# KiCad board C68.kicad_pcb (continued)
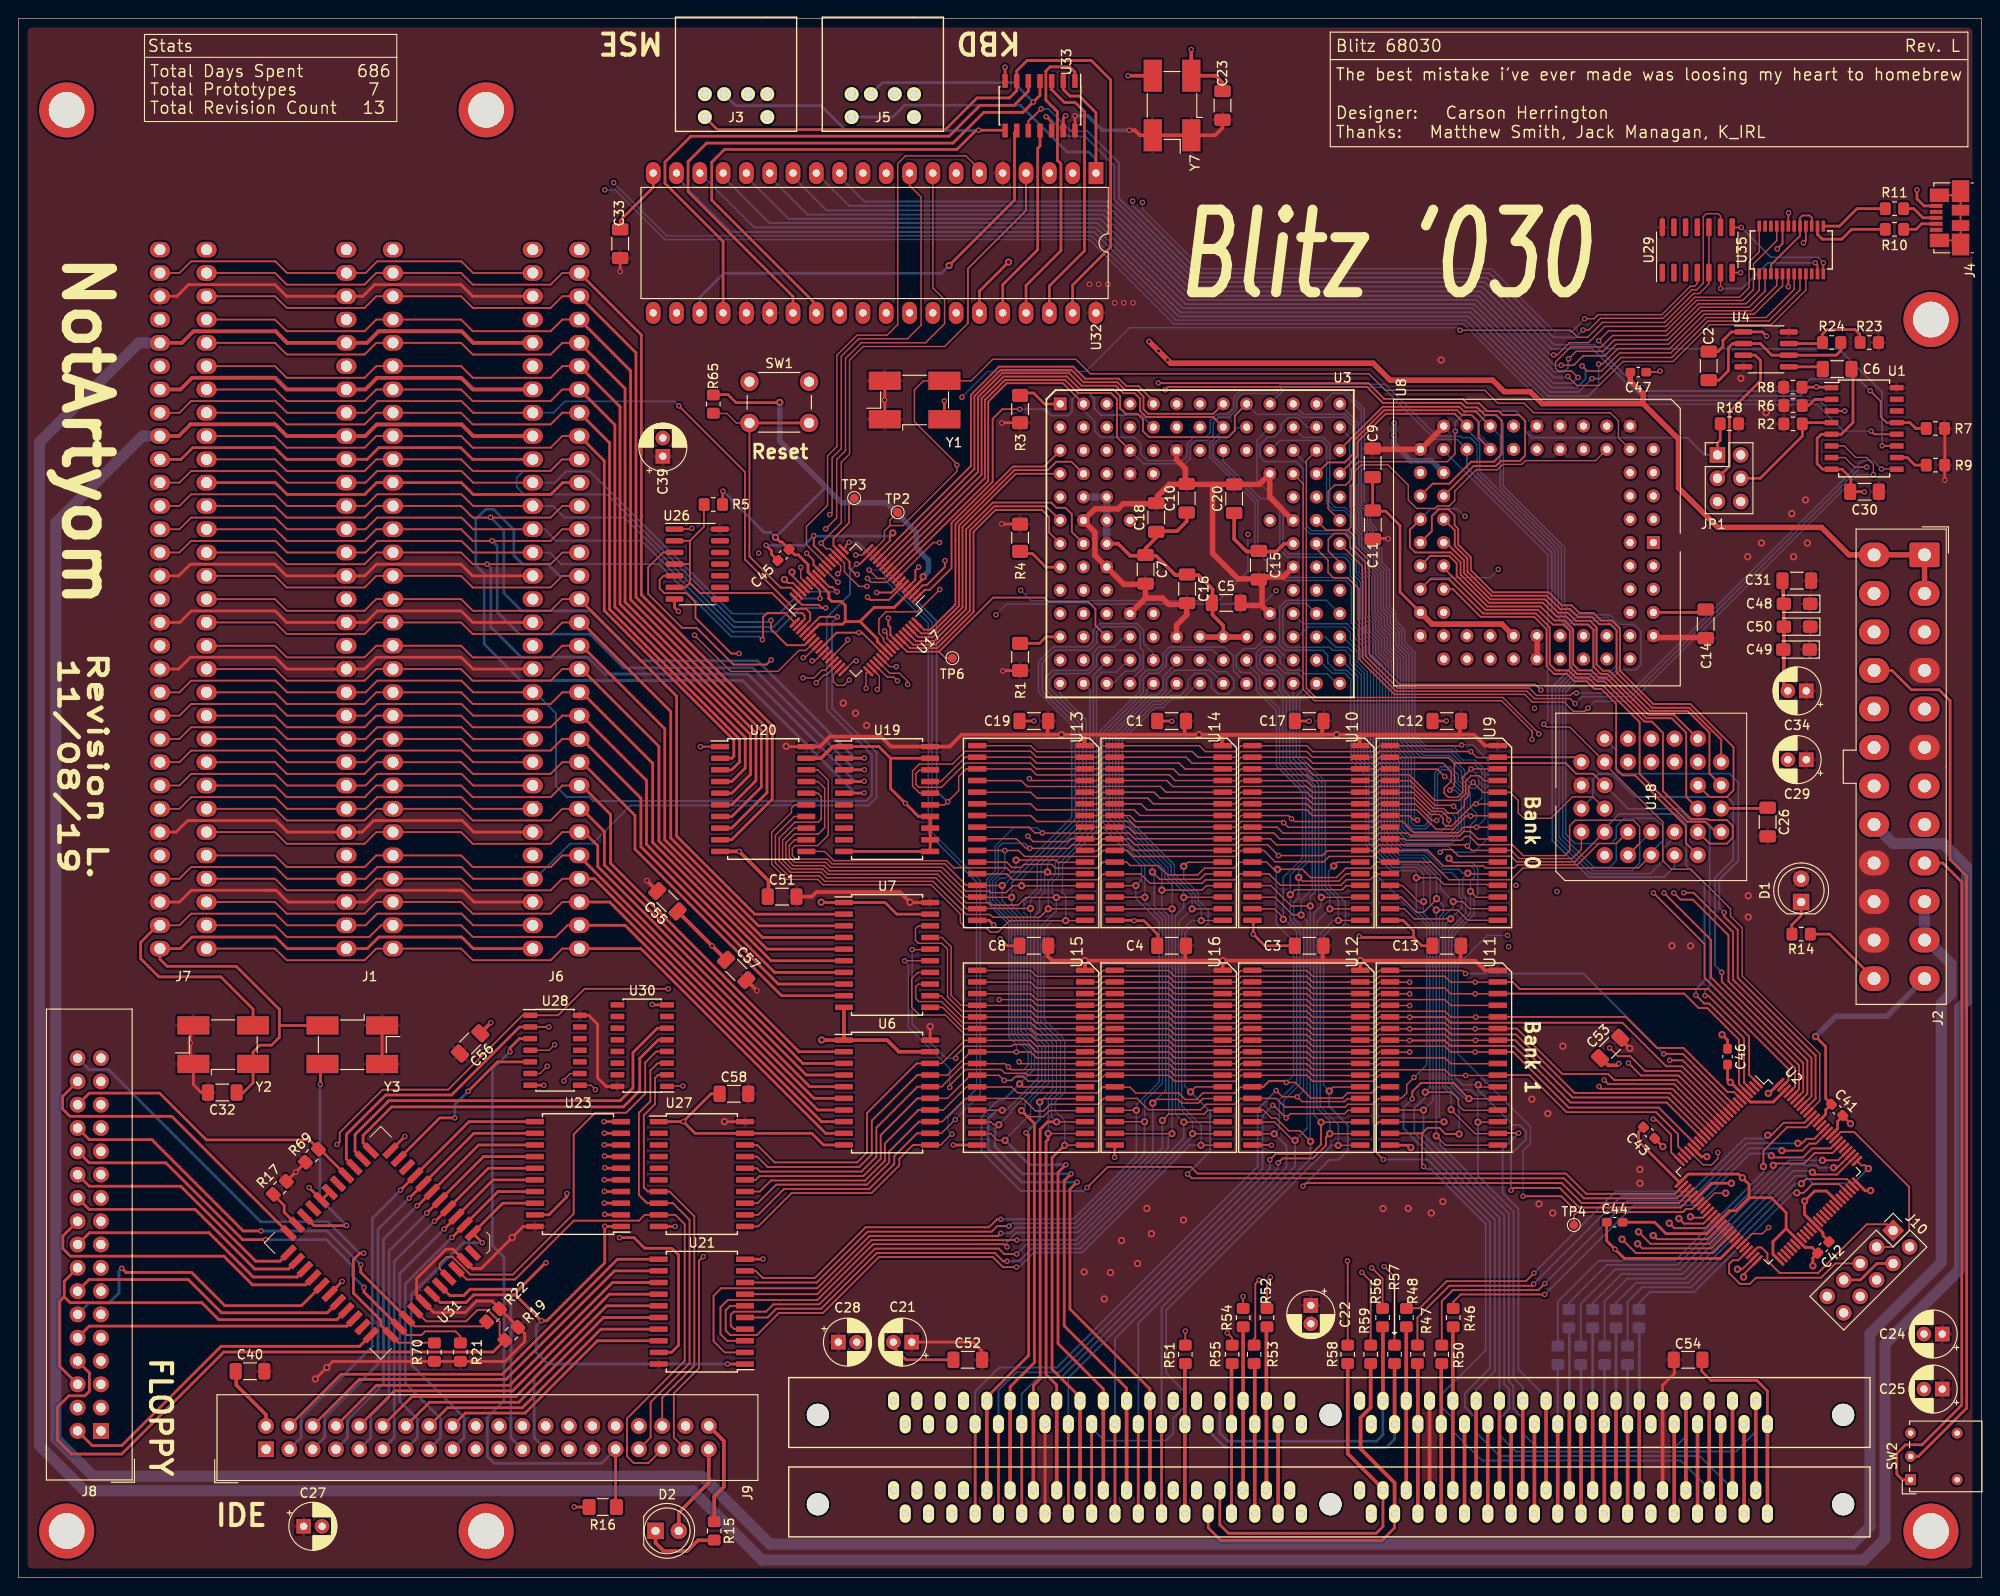
[diagram p0: board, top side]
## Routing (per net, layer and track width the routed paths; a pad name or vN(x,y) marks a point on that pad's centre or on a via; arc(x,y) is an arc through that point) (continued)
/D12: length 165.1
  Top w0.15: v1(142.94,48.4) 146,48.4 146,48.41 ; v1(142.96,72.91) 142.97,72.91 145.99,72.91
  Top w0.2: v1(142.94,48.4) 142.54,48 142.54,47.13 141.12,45.71 137.81,45.71 v2(137.32,45.22)
  Top w0.3: 114.45,6.73 U5.57
  In1.Cu w0.15: U3.M10 137.87,98.58 137.87,96.79 139.83,94.83 145.28,94.83 150.59,100.14 150.59,105.01 151.93,106.35 166.94,106.35 U8.57
  Bottom w0.15: v1(142.94,48.4) 142.94,49.83 141.54,51.23 141.54,71.49 v1(142.96,72.91) 142.96,74.31 142.09,75.18 142.09,86.69 139.29,89.49 139.29,96.08 140.03,96.82 140.03,98.02 139.45,98.6 138.04,98.6 136.63,100.01 136.4,100.01
  Bottom w0.2: v2(137.32,45.22) 137.33,45.21 137.33,44.68 114.45,21.8 U5.57
/D13: length 164.5
  Top w0.15: v1(141.99,49.66) 145.99,49.66 146,49.68 ; 145.99,74.19 145.97,74.17 v1(142.02,74.17)
  Top w0.2: v1(141.99,49.66) 141.99,47.23 140.97,46.21 137.06,46.21 v2(136.41,45.56)
  Top w0.3: 109.37,6.73 U5.61
  In1.Cu w0.15: U8.56 171.72,101.27 171.72,103.22 168.24,106.7 151.77,106.7 150.24,105.17 150.24,100.3 145.12,95.18 141.04,95.18 138.94,97.28 138.94,97.55
  Bottom w0.15: v1(142.02,74.17) 142.02,73.23 141.19,72.4 141.19,50.46 v1(141.99,49.66) ; 142.04,74.19 141.74,74.49 141.74,86.5 138.94,89.3 138.94,97.47
  Bottom w0.2: U5.61 109.37,20.05 111.21,21.89 113.72,21.89 136.41,44.58 v2(136.41,45.56)
/D14: length 176.3
  Top w0.15: 144.34,75.04 144.3,75 139.18,75 v1(138.64,74.46) ; 144.34,75.04 144.33,75.03 ; 144.34,75.04 144.73,75.43 145.97,75.43 145.99,75.46 ; 146,50.94 144.93,50.94 144.56,50.58 138.65,50.58 v2(138.19,50.12) 136.82,51.49 v2(136.73,51.49)
  Top w0.3: 106.83,6.73 U5.63
  In1.Cu w0.15: U8.55 166.58,104.17 151.91,104.17 150.95,103.21 150.95,100 145.43,94.48 139.67,94.48 137.51,96.64 137.51,98.26 137.01,98.76 135.15,98.76 U3.M9
  Bottom w0.15: 133.86,100.01 133.86,99.73 135.29,98.3 135.29,96.92 137.48,94.73 137.48,88.64 140.33,85.79 140.33,78.3 138.64,76.61 v1(138.64,74.46) 138.64,71.68 139.71,70.61 139.71,53.81 137.92,52.02 137.92,50.39 v2(138.19,50.12)
  Bottom w0.2: U5.63 106.83,20.42 108.8,22.39 113.46,22.39 135.62,44.55 135.62,50.38 v2(136.73,51.49)
/D15: length 172.8
  Top w0.15: 146,52.22 144.85,52.22 144.53,51.9 139.93,51.9 v2(139.4,52.43) 137.77,52.43 v2(137.1,53.1) ; v1(139.56,76.34) 139.96,75.94 143.94,75.94 144.72,76.72 145.99,76.72
  Top w0.3: 104.29,6.73 U5.65
  In1.Cu w0.15: U8.54 166.76,101.45 166.76,103.19 166.13,103.82 152.07,103.82 151.32,103.07 151.32,99.87 145.57,94.12 139.5,94.12 136.41,97.21 136.41,97.46
  Bottom w0.15: 136.4,97.55 136.4,97.15 137.84,95.71 137.84,88.8 140.69,85.95 140.69,78.15 139.56,77.02 v1(139.56,76.34) 139.56,74.11 139.01,73.56 139.01,71.85 140.09,70.77 140.09,53.11 140.08,53.11 v2(139.4,52.43) ; v2(137.1,53.1) 135.16,51.16
  Bottom w0.2: U5.65 104.29,20.29 106.91,22.91 113.18,22.91 135.09,44.82 135.09,51.09 v2(137.1,53.1)
/D16: length 290.7
  Top w0.15: v1(121.81,75.45) 121.81,75.44 119.79,75.44 119.81,75.47 ; 119.51,50.96 119.51,50.95 v1(121.86,50.95)
  Top w0.2: U21.9 80.38,33.44 81.15,32.68 86.82,32.68 92.35,38.2 105.8,38.2 106.68,39.07 v2(107.1,39.07)
  Top w0.4: 188.11,6.73 U5.3
  In1.Cu w0.2: v2(107.1,39.07) 106.68,39.07 103.22,35.62 103.22,24.04 99.23,20.05 99.23,18.64 97.92,17.33 97.92,15.85 102.55,11.22 181.18,11.22 ; U5.3 188.11,16.33 183,11.22 181.18,11.22 ; 181.18,11.22 181.44,11.22
  In2.Cu w0.15: U8.50 160.26,97.43 154.13,97.43 153,98.56 134.95,98.56 U3.N9
  Bottom w0.15: 133.86,97.47 132.45,98.88 132.45,100.47 131.46,101.46 125.51,101.46 124.78,100.73 124.78,99.56 124.16,98.94 122.99,98.94 122.24,98.19 122.24,97.77 122.23,97.76 122.23,96.62 117.86,92.25 117.86,82.16 122.43,77.59 122.43,76.07 v1(121.81,75.45) 121.81,74.05 124.36,71.5 124.36,54.05 121.86,51.55 v1(121.86,50.95)
  Bottom w0.2: v2(107.1,39.07) 114.97,39.07 121.86,45.96 v1(121.86,50.95)
/D17: length 282.9
  Top w0.15: v1(122.79,74.18) 119.79,74.18 119.79,74.18 119.81,74.16 ; 119.79,49.69 119.81,49.71 v1(122.76,49.71)
  Top w0.2: U21.8 87.03,32.18 92.57,37.72 106.1,37.72 106.7,38.32 v2(107.97,38.32)
  Top w0.3: 107.95,38.3 v2(107.97,38.32)
  Top w0.4: 185.57,6.73 U5.5
  In1.Cu w0.2: U5.5 185.57,16.33 180.92,11.68 104.79,11.68 100.54,15.93 100.54,17.43 101.75,18.64 101.75,20.02 103.74,22.01 103.74,35.25 106.81,38.32 v2(107.97,38.32)
  In2.Cu w0.15: U3.M8 132.77,101.46 151.63,101.46 154.55,98.54 158.52,98.54 159.34,99.36 159.34,101.59 U8.49
  Bottom w0.15: v1(122.76,49.71) 122.76,51.95 124.71,53.9 124.71,71.75 122.78,73.68 122.78,74.18 ; v1(122.79,74.18) 122.79,77.74 118.21,82.32 118.21,92.1 122.61,96.5 122.61,98.01 123.19,98.59 124.29,98.59 125.12,99.42 125.12,100.53 125.75,101.16 130.17,101.16 131.32,100.01
  Bottom w0.2: v1(122.76,49.71) 122.76,46.21 115.18,38.62 108.28,38.62 v2(107.97,38.32)
/D18: length 289.4
  Top w0.15: 119.79,72.91 119.79,72.91 v1(125.76,72.91) ; v1(125.74,48.41) 119.81,48.41 119.79,48.43
  Top w0.2: U21.7 87.08,30.91 92.97,36.8 v2(108.85,36.8)
  Top w0.3: 108.82,36.78 v2(108.85,36.8)
  Top w0.4: 183.03,6.73 U5.7
  In1.Cu w0.2: v2(108.85,36.8) 107.42,36.8 104.28,33.66 104.28,18.58 103.03,17.33 103.03,15.82 106.7,12.15 178.85,12.15 183.03,16.33 U5.7
  In2.Cu w0.15: U3.N8 130.13,96.28 128.25,96.28 127.56,96.97 127.56,98.11 128.07,98.62 129.36,98.62 129.75,99.01 132.18,99.01 132.65,99.48 132.65,100.54 133.21,101.1 151.47,101.1 154.44,98.13 158.79,98.13 160.44,99.78 U8.48
  Bottom w0.15: v1(125.74,48.41) 125.76,48.43 v1(125.76,72.91) 125.76,75.5 124.96,76.3 124.96,77.25 119.26,82.95 119.26,91.7 123.46,95.9 124.32,95.9 125.13,96.71 125.13,97.98 126.08,98.93 129.86,98.93 131.32,97.47
  Bottom w0.2: v1(125.74,48.41) 125.34,48.01 125.34,46.87 115.28,36.8 v2(108.85,36.8)
/D19: length 282.1
  Top w0.15: 130.99,71.63 130.99,71.64 v1(128.93,71.64) ; 130.99,47.16 130.99,47.15 v1(128.9,47.15)
  Top w0.2: v2(108.8,33.85) 107.32,33.85 106.22,34.95 93.8,34.95 87.71,28.86 82.91,28.86 80.5,26.45 77.6,26.45 77.1,26.95 77.1,29.15 77.59,29.63 U21.6
  Top w0.3: 108.78,33.82 v2(108.8,33.85)
  Top w0.4: 180.49,6.73 U5.9
  In1.Cu w0.2: U5.9 180.49,16.33 176.8,12.64 108.81,12.64 105.56,15.89 105.56,17.35 106.8,18.59 106.8,20.1 108.8,22.1 v2(108.8,33.85)
  In2.Cu w0.15: 161.25,99.09 159.94,97.78 154.29,97.78 153.15,98.92 133.19,98.92 132.93,98.66 130.2,98.66 129.03,97.49 U3.N7 ; 161.25,99.09 161.67,99.51 161.67,103.22 160.99,103.9 159.11,103.9 U8.47 ; 161.25,99.09 161.55,99.39
  Bottom w0.15: 128.78,97.47 128.53,97.47 126.91,95.85 125.76,95.85 124.76,94.85 123.91,94.85 120.31,91.25 120.31,83.4 126.01,77.7 126.01,76.7 128.26,74.45 128.26,73.67 128.93,73 v1(128.93,71.64) 127.91,71.64 126.8,70.53 126.8,51.44 128.93,49.31 128.93,47.18 v1(128.9,47.15)
  Bottom w0.2: v2(108.8,33.85) 109.07,33.85 110.68,35.45 115.97,35.45 127.68,47.15 v1(128.9,47.15)
/D20: length 259.9
  Top w0.15: v1(127.93,72.91) 127.94,72.91 130.99,72.91 ; 130.99,48.43 130.97,48.4 v1(127.99,48.4)
  Top w0.2: U21.5 81.66,28.37 82.62,29.32 87.5,29.32 93.57,35.4 106.45,35.4 107.35,34.5 v2(107.78,34.5)
  Top w0.3: 107.68,34.6 v2(107.78,34.5)
  Top w0.4: 165.25,6.73 U5.21
  In1.Cu w0.2: v2(107.78,34.5) 109.04,34.5 109.59,33.95 109.59,33.51 109.39,33.31 109.39,18.65 108.13,17.39 108.13,15.93 110.92,13.14 162.06,13.14 165.25,16.33 U5.21
  In2.Cu w0.15: U8.46 156.47,101.58 156.47,103.43 155.86,104.04 132.86,104.04 132.35,103.53 132.35,102.11 131.73,101.49 130.26,101.49 U3.M7
  Bottom w0.15: v1(127.99,48.4) 127.99,49.75 126.47,51.27 126.47,71.45 v1(127.93,72.91) 127.93,74.33 125.66,76.6 125.66,77.55 119.96,83.25 119.96,91.4 123.76,95.2 124.61,95.2 125.61,96.2 126.67,96.2 127.5,97.03 127.5,97.85 128.24,98.59 129.37,98.59 130.05,97.91 130.05,97.05 130.77,96.33 131.86,96.33 132.49,96.96 132.49,97.93 131.65,98.77 130.61,98.77 129.4,99.98 128.79,99.98
  Bottom w0.2: v2(107.78,34.5) 109.07,34.5 110.45,35.88 115.72,35.88 127.99,48.14 v1(127.99,48.4)
/D21: length 244.8
  Top w0.15: 130.99,49.69 130.97,49.67 v1(127.03,49.67) ; v1(127.03,74.17) 127.03,74.18 130.99,74.18
  Top w0.2: U21.4 78.03,27.09 77.65,27.47 77.65,28.68 77.97,29 81.5,29 82.3,29.8 87.3,29.8 93.38,35.88 106.88,35.88 107.47,35.28 v2(108.82,35.28)
  Top w0.3: 108.8,35.3 v2(108.82,35.28)
  Top w0.4: 162.71,6.73 U5.23
  In1.Cu w0.2: v2(108.82,35.28) 109.25,35.28 110.06,34.46 110.06,22.24 111.91,20.39 111.91,18.58 110.64,17.31 110.64,15.89 112.88,13.65 160.03,13.65 162.71,16.33 U5.23
  In2.Cu w0.15: U8.45 154.36,103.69 133.01,103.69 132.7,103.38 132.7,101.97 131.87,101.14 130.55,101.14 130.06,100.65 130.06,99.81 129.22,98.97 127.74,98.97 U3.N6
  Bottom w0.15: 126.24,97.47 126.24,97.33 124.46,95.55 123.61,95.55 119.61,91.55 119.61,83.1 125.31,77.4 125.31,76.45 127.01,74.75 127.01,74.05 ; v1(127.03,49.67) 126.12,50.58 126.12,72.14 127.03,73.05 v1(127.03,74.17)
  Bottom w0.2: v1(127.03,49.67) 127.03,47.91 115.45,36.32 109.88,36.32 v2(108.82,35.28)
/D22: length 265.7
  Top w0.15: 130.99,75.44 129.5,75.44 129.01,74.96 v1(124.64,74.96) ; 130.99,50.97 129.68,50.97 129.25,50.54 125.39,50.54 v1(124.7,49.85)
  Top w0.2: v2(107.78,36.05) 107.48,36.35 93.18,36.35 87.1,30.28 77.32,30.28 76.53,29.47 76.53,26.55 77.25,25.82 U21.3
  Top w0.4: 160.17,6.73 U5.25
  In1.Cu w0.2: v2(107.78,36.05) 109.48,36.05 110.68,34.85 110.68,23.89 114.45,20.12 114.45,18.63 113.19,17.37 113.19,15.91 114.97,14.13 157.97,14.13 160.17,16.33 U5.25
  In2.Cu w0.15: U8.44 156.53,98.98 158.34,98.98 158.99,99.63 158.99,100.75 158.5,101.24 157.58,101.24 156.83,101.99 156.83,105.57 155.81,106.59 131.02,106.59 129.84,105.41 129.84,102.08 129.29,101.53 127.76,101.53 U3.M6
  Bottom w0.15: v1(124.7,49.85) 125.41,50.56 125.41,72.13 124.64,72.9 v1(124.64,74.96) 124.63,74.97 124.63,77.08 118.91,82.8 118.91,91.8 123.36,96.25 124.17,96.25 124.79,96.87 124.79,98.21 126.24,99.66 126.24,100.01
  Bottom w0.2: v1(124.7,49.85) 124.7,46.85 115.47,37.62 108.8,37.62 107.78,36.6 v2(107.78,36.05)
/D23: length 255
  Top w0.15: v1(123.61,76.94) 124.42,76.13 128.78,76.13 129.37,76.72 130.99,76.72 ; 130.99,52.24 129.12,52.24 128.63,51.74 126.78,51.74 126.38,52.14 124.05,52.14 v1(123.65,51.74)
  Top w0.2: v2(107.1,37.55) 106.8,37.25 92.78,37.25 87.07,31.55 76.6,31.55 75.78,30.72 75.78,25.78 77,24.56 U21.2
  Top w0.3: 107.07,37.53 v2(107.1,37.55)
  Top w0.4: 157.63,6.73 U5.27
  In1.Cu w0.2: v2(107.1,37.55) 109.29,37.55 111.33,35.51 111.33,25.66 116.97,20.02 116.97,18.64 115.76,17.43 115.76,15.71 116.87,14.6 155.9,14.6 157.63,16.33 U5.27
  In2.Cu w0.15: U8.42 154.35,106.24 131.16,106.24 130.19,105.27 130.19,101.94 129.43,101.18 128.04,101.18 127.49,100.63 127.49,99.59 126.79,98.89 125.12,98.89 U3.N5
  Bottom w0.15: v1(123.65,51.74) 125.06,53.15 125.06,71.95 123.81,73.2 123.81,76.74 v1(123.61,76.94) 123.61,77.51 118.56,82.56 118.56,91.95 123,96.39 123,96.77 123.7,97.47
  Bottom w0.2: v2(107.1,37.55) 108.07,37.55 108.68,38.15 115.38,38.15 123.65,46.43 v1(123.65,51.74)
/D24: length 470.9
  Top w0.15: U20.18 87.15,88.06 88.28,86.93 88.28,80.96 87.13,79.81 84.65,79.81 84.37,79.53 84.37,78.71 84.74,78.34 88.18,78.34 88.7,77.82 100.98,77.82 103.32,75.48 104.51,75.48 ; 104.8,75.44 104.81,75.46 v1(107.23,75.46) ; 104.78,50.96 104.78,50.96 v1(107.25,50.96) ; U35.24 189.76,144.56 188.65,143.45 188.65,140.65 187.6,139.6 182.75,139.6 179.56,136.41 172.91,136.41 171.15,134.65 169.07,134.65 167.73,133.3 v2(167.35,133.3)
  Top w0.2: 174.16,91.81 174.16,95.27 172.54,96.89 171.79,96.89 170.96,97.72 169.61,97.72 168.82,98.51 167.41,98.51 166.57,99.35 166.57,103.4 165.22,104.75 159.39,104.75 156.37,107.77 U8.40 ; 174.16,91.81 174.16,92.03 ; 174.16,91.81 174.16,88.19 174.88,87.47 176.22,87.47 181.76,81.93 181.76,80.08 U18.13
  Top w0.3: v2(63.91,39.61) 63.97,39.56 U23.2 ; v2(115.4,43.12) 114.62,42.35 114.62,29.29 123.34,20.57 U5.50
  Top w0.4: U5.50 123.34,9.27
  In1.Cu w0.15: v1(107.25,50.96) 100.5,50.96 95.5,45.96 65.42,45.96 64.79,46.59 63.56,46.59 62.37,45.4 62.37,41.15 v2(63.91,39.61)
  In2.Cu w0.15: 123.76,100.01 125.26,101.51 126.67,101.51 127.32,102.16 127.32,107.09 129.34,109.11 150.99,109.11 151.24,108.86 154.27,108.86 U8.40 158.2,110.61 162.61,110.61 174.2,122.2 174.2,126.32 173.09,127.43 170.05,127.43 166.71,130.77 166.71,132.66 v2(167.35,133.3)
  Bottom w0.15: 107.23,75.44 107.37,75.44 114.81,82.88 114.81,92.93 111.19,96.55 111.19,99.84 112.83,101.48 116.57,101.48 117.16,102.07 117.16,103.29 117.88,104.01 121.94,104.01 122.65,103.3 122.65,101.85 123.71,100.79 123.71,100.02 123.7,100.01 ; v1(107.23,75.46) 107.23,73.8 109.26,71.77 109.28,59.66 109.28,59.59 111.16,57.71 111.16,54.44 107.68,50.96 v1(107.25,50.96)
  Bottom w0.2: v2(167.35,133.3) 167.02,133.3 159.57,140.75 128.25,140.75 118.97,150.03 92.22,150.03 89.52,152.73 U32.12
  Bottom w0.3: v1(107.25,50.96) 106.63,50.96 105.7,50.03 105.7,46.78 109.35,43.12 v2(115.4,43.12)
/D25: length 472.8
  Top w0.15: U20.17 87.16,86.8 87.89,86.06 87.89,81.77 87.19,81.07 84.63,81.07 83.67,80.11 83.67,78.4 84.45,77.62 87.82,77.62 88.38,77.06 100.48,77.06 103.33,74.21 104.51,74.21 ; 104.8,74.18 104.81,74.17 v1(108.27,74.17) ; 104.51,49.69 106,49.69 106.3,49.38 v1(106.87,49.38) ; 104.78,49.69 104.78,49.69 ; U35.4 191.66,140.86 188.93,138.12 183.52,138.12 179.88,134.47 174.18,134.47 172.9,133.2 170.55,133.2 169.52,132.18 v2(168.18,132.18)
  Top w0.2: 168.01,98.91 167.6,98.91 166.92,99.59 166.92,103.61 165.41,105.12 159.66,105.12 155.93,108.85 153.9,108.85 U8.39 ; 168.01,98.91 167.8,98.91 ; 168.01,98.91 168.96,98.91 169.77,98.1 171.12,98.1 171.95,97.27 172.72,97.27 176.72,93.27 176.72,87.62 181.93,82.41 183.9,82.41 184.95,81.36 185.56,81.36
  Top w0.3: U23.3 63.88,40.82 v2(63.87,40.84) ; U5.52 120.8,20.65 114,27.45 114,43.28 v2(114.75,44.03)
  Top w0.4: U5.52 120.8,9.27
  In1.Cu w0.15: v2(63.87,40.84) 62.78,41.93 62.78,44.57 63.54,45.33 64.37,45.33 64.6,45.1 95.92,45.1 100.2,49.38 v1(106.87,49.38)
  In2.Cu w0.15: U8.39 151.81,107.77 150.82,108.76 129.48,108.76 127.67,106.95 127.67,102.02 126.81,101.16 125.52,101.16 124.96,100.6 124.96,99.5 124.23,98.77 122.46,98.77 U3.N4 ; v2(161.31,109.92) 162.47,109.92 174.56,122.01 174.56,126.5 173.26,127.8 170.24,127.8 168.18,129.87 v2(168.18,132.18)
  Bottom w0.15: 121.17,97.41 121.17,97.76 122.59,99.18 122.59,101.04 122.29,101.34 122.29,103.1 121.73,103.66 118.06,103.66 117.53,103.13 117.53,101.9 116.74,101.11 113,101.11 111.6,99.71 111.6,96.66 115.21,93.05 115.21,82.7 108.27,75.76 v1(108.27,74.17) 108.27,73.29 109.61,71.95 109.61,59.79 111.56,57.84 111.56,54.29 108.27,51 108.27,50.78 v1(106.87,49.38) ; v2(161.31,109.92) 160.4,109.01 154.06,109.01 U8.39
  Bottom w0.2: v2(168.18,132.18) 167.44,132.18 159.38,140.24 128.03,140.24 118.71,149.57 90.54,149.57 U32.13
  Bottom w0.3: v2(114.75,44.03) 109.45,44.03 106.45,47.03 106.45,48.96 v1(106.87,49.38)
/D26: length 477.5
  Top w0.15: 104.51,48.41 105.99,48.41 106.73,47.67 v1(107.55,47.67) ; 104.8,72.91 104.85,72.96 v1(110.33,72.96) ; U20.16 87.16,85.53 87.51,85.17 87.51,82.67 87.2,82.36 84.65,82.36 82.94,80.65 82.94,78.12 84.16,76.9 87.5,76.9 88.11,76.29 100.01,76.29 103.36,72.94 104.51,72.94 ; 104.79,48.43 104.78,48.41 ; U35.2 190.39,140.27 188.62,138.5 183.32,138.5 179.77,134.95 173.98,134.95 172.73,133.7 169.8,133.7 v2(168.98,132.88)
  Top w0.2: U18.15 184.36,80.02 186.22,80.02 186.87,80.67 186.87,81.96 186.24,82.59 184.25,82.59 184.12,82.72 182.3,82.72 179.26,85.76 179.26,92.12 178.05,93.33 177.26,93.33 172.89,97.7 172.09,97.7 171.28,98.51 169.91,98.51 169.11,99.31 169.11,103.23 168.43,103.91 167.26,103.91 165.66,105.51 159.92,105.51 155.36,110.07 U8.38
  Top w0.3: U23.4 63.88,42.09 v2(63.87,42.11) ; U5.54 118.26,20.57 113.32,25.51 113.32,44.18 v2(114.18,45.03)
  Top w0.4: U5.54 118.26,9.27
  In1.Cu w0.15: v2(63.87,42.11) 63.21,42.78 63.21,42.78 63.21,43.76 63.48,44.03 64.38,44.03 64.58,44.23 96.36,44.23 98.6,46.47 106.35,46.47 v1(107.55,47.67)
  In2.Cu w0.15: U3.N3 119.92,98.77 121.67,98.77 122.46,99.56 122.46,100.62 122.96,101.12 124.3,101.12 125.12,101.94 125.12,103.13 126.96,104.97 126.96,107.21 131.06,111.31 150.08,111.31 152.18,109.21 154.26,109.21 U8.38 ; 155.41,110.28 156.15,111.02 160.9,111.02 172.05,122.17 172.05,126.4 171.38,127.07 169.83,127.07 166.31,130.59 166.31,133.54 166.76,133.99 167.86,133.99 v2(168.98,132.88)
  Bottom w0.15: v1(107.55,47.67) 107.55,47.76 110.33,50.54 110.33,51.91 112.3,53.88 112.3,58.15 110.33,60.12 v1(110.33,72.96) 110.33,73.82 111.46,74.95 111.46,77.75 116.01,82.3 116.01,93.35 112.37,96.99 112.37,97.92 113.02,98.57 116.68,98.57 117.51,99.4 117.51,100.55 118.08,101.12 121.64,101.12 122.26,100.5 122.26,99.47 121.62,98.83 120.65,98.83 119.29,97.47 118.62,97.47
  Bottom w0.2: v2(168.98,132.88) 168.9,132.8 168.9,131.88 168.48,131.45 167.47,131.45 159.16,139.76 127.79,139.76 118.48,149.07 88.1,149.07 84.44,152.73 U32.14
  Bottom w0.3: v1(107.55,47.67) 110.19,45.03 v2(114.18,45.03)
/D27: length 465.1
  Top w0.15: 115.98,47.15 115.97,47.15 v1(114.05,47.15) ; U20.15 84.63,84.25 84.27,83.89 84.27,83.43 82.11,81.27 82.11,77.78 83.77,76.12 87.13,76.12 87.71,75.54 99.48,75.54 102.68,72.34 102.68,71.42 103.33,70.77 105.56,70.77 105.95,70.38 106.79,70.38 108.04,71.63 v1(114.16,71.63) 114.16,71.63 116,71.63 ; v2(168.9,130.95) 169.88,129.97 172.3,129.97 174.91,132.59 180.36,132.59 184.38,136.6 191.07,136.6 194.84,140.37 U35.9
  Top w0.2: U8.37 153.89,111.38 155.98,111.38 156.78,110.58 156.78,109.23 160.13,105.88 165.92,105.88 167.45,104.35 168.51,104.35 169.48,103.38 169.48,99.56 170.12,98.92 171.47,98.92 172.3,98.09 173.08,98.09 177.47,93.7 180.21,93.7 181.8,92.11 181.8,85.12 U18.17
  Top w0.3: U23.5 63.88,43.37 v2(63.87,43.38) ; U5.56 115.72,19.67 112.68,22.72 112.68,45.78 v1(114.05,47.15)
  Top w0.4: U5.56 115.72,9.27
  In1.Cu w0.15: v1(114.05,47.15) 113,46.1 98.8,46.1 96.49,43.79 64.86,43.79 64.45,43.38 v2(63.87,43.38)
  In2.Cu w0.15: 121.31,100.09 122.69,101.47 124.16,101.47 124.77,102.08 124.77,103.24 126.63,105.1 126.63,107.36 130.93,111.66 150.28,111.66 151.63,110.31 U8.37 153.94,111.43 160.75,111.43 171.7,122.38 171.7,126.18 171.17,126.71 169.68,126.71 165.96,130.43 165.96,133.74 166.56,134.34 168.46,134.34 169.65,133.15 169.65,131.7 v2(168.9,130.95) 168.89,130.94
  Bottom w0.15: 121.03,100.06 119.7,98.73 118.12,98.73 117.51,98.12 117.51,81.4 113.81,77.7 113.81,74.7 114.16,74.35 v1(114.16,71.63) 112.69,71.63 111.81,70.75 111.81,60.87 114.05,58.63 114.05,52.91 113,51.86 113,50.88 114.05,49.83 v1(114.05,47.15)
  Bottom w0.2: U32.15 81.9,152.73 86.03,148.6 118.22,148.6 127.51,139.31 158.92,139.31 167.38,130.85 168.8,130.85 168.89,130.94
/D28: length 461.8
  Top w0.15: U20.14 84.57,82.98 82.52,80.93 82.52,77.93 83.95,76.5 87.32,76.5 87.91,75.91 99.71,75.91 103.32,72.3 105.94,72.3 106.24,72 111.34,72 v1(112.26,72.92) 115.99,72.92 116,72.91 ; 115.98,48.41 115.97,48.42 v1(112.25,48.42) ; U35.1 189.76,140.33 188.3,138.88 183.12,138.88 179.68,135.43 173.77,135.43 172.52,134.18 169.2,134.18 167.55,132.53 167.55,131.82 167.82,131.55 169.3,131.55 v2(170,130.85)
  Top w0.2: 155.33,112.7 155.77,112.7 157.58,110.89 157.58,109.52 160.44,106.66 166.39,106.66 167.85,105.2 168.9,105.2 169.78,104.32 171.31,104.32 172.03,103.6 172.03,103.3 ; 172.03,103.3 172.03,103.5 ; 172.03,103.3 172.03,99.58 172.73,98.88 173.42,98.88 177.82,94.48 181.97,94.48 184.33,92.12 184.33,87.67 U18.18
  Top w0.3: U5.58 113.18,20.99 112.03,22.15 112.03,47.55 112.25,47.78 v1(112.25,48.42) ; v2(63.92,44.69) 63.97,44.63 U23.6
  Top w0.4: U5.58 113.18,9.27
  In1.Cu w0.15: v2(63.92,44.69) 96.16,44.69 100.43,48.96 106,48.96 106.42,48.54 107.97,48.54 108.63,47.88 111.14,47.88 111.68,48.42 v1(112.25,48.42)
  In2.Cu w0.15: U3.N2 117.58,98.97 117.58,100.53 118.22,101.17 119.47,101.17 119.81,101.51 121.7,101.51 122.24,102.05 122.24,103.22 123.03,104.01 124.57,104.01 125.99,105.43 125.99,107.67 130.66,112.34 136.37,112.34 138.33,114.3 150.62,114.3 150.98,113.94 154.27,113.94 U8.36 156.41,112.85 163.13,119.57 166.41,119.57 169.12,122.28 169.12,126.19 165.25,130.06 165.25,134.12 166.19,135.06 168.87,135.06 171.05,132.88 171.05,131.35 170.56,130.86 170.01,130.86
  Bottom w0.15: v1(112.25,48.42) 112.25,52.25 113.16,53.16 113.16,58.38 111.11,60.43 111.11,71.77 v1(112.26,72.92) 112.26,75.9 113.01,76.65 113.01,78.05 116.81,81.85 116.81,96.74 116.08,97.47
  Bottom w0.2: 170.01,130.86 v2(170,130.85) 169.37,130.22 167.3,130.22 158.68,138.84 127.24,138.84 117.93,148.15 83.94,148.15 79.36,152.73 U32.16
/D29: length 474.2
  Top w0.15: 116,74.18 113.16,74.18 v1(113.14,74.16) 109.82,74.16 108.99,73.33 106.05,73.33 105.8,73.58 103.31,73.58 100.21,76.68 88.24,76.68 87.66,77.26 84.29,77.26 83.3,78.25 83.3,80.39 84.62,81.72 U20.13 ; 115.98,49.69 115.97,49.69 v1(113.18,49.69) ; U35.7 193.57,140.45 190.5,137.38 183.98,137.38 180.12,133.53 174.52,133.53 172.55,131.55 171,131.55 v2(170.45,132.1)
  Top w0.2: U18.19 184.34,85.12 186.23,85.12 186.96,85.85 186.96,90.54 182.25,95.25 178.21,95.25 174.58,98.88 174.58,103.52 173.75,104.35 172.53,104.35 171.7,105.18 170.15,105.18 169.32,106.01 168.24,106.01 166.82,107.43 160.74,107.43 158.32,109.85 158.32,111.26 156.95,112.63 156.95,114.35 156.55,114.75 156.55,115.82 155.89,116.48 154.83,116.48 154.07,115.72 154.07,114.1 U8.35
  Top w0.3: U23.7 63.96,45.91 v2(63.89,45.97) ; U5.60 110.64,20.94 111.38,21.68 111.38,48.88 112.19,49.69 v1(113.18,49.69)
  Top w0.4: U5.60 110.64,9.27
  In1.Cu w0.15: v1(113.18,49.69) 112.75,50.12 106.89,50.12 106.46,50.55 100.75,50.55 95.73,45.53 65.07,45.53 64.63,45.97 v2(63.89,45.97)
  In2.Cu w0.15: U3.M3 119.34,100.73 119.58,100.73 120.01,101.16 121.84,101.16 122.59,101.91 122.59,103.07 123.19,103.67 124.73,103.67 126.32,105.26 126.32,107.5 130.81,111.99 136.5,111.99 138.46,113.95 150.45,113.95 151.55,112.85 U8.35 153.86,111.81 155.92,111.81 163.31,119.2 166.54,119.2 169.48,122.14 169.48,126.34 165.62,130.2 165.62,133.92 166.4,134.7 168.68,134.7 170.45,132.93 v2(170.45,132.1)
  Bottom w0.15: v1(113.18,49.69) 112.61,50.26 112.61,52.03 113.58,53 113.58,58.52 111.46,60.64 111.46,71.02 113.14,72.7 v1(113.14,74.16) 112.71,74.59 112.71,75.8 113.41,76.5 113.41,77.85 117.17,81.61 117.17,98.37 118.57,99.77
  Bottom w0.2: v2(170.45,132.1) 170.82,131.72 170.82,130.7 169.86,129.74 167.14,129.74 158.48,138.4 126.93,138.4 117.63,147.69 81.86,147.69 76.82,152.73 U32.17
/D30: length 472.3
  Top w0.15: U20.12 84.63,80.44 84.03,79.84 84.03,78.56 84.61,77.98 88.01,77.98 88.55,77.44 100.7,77.44 103.29,74.85 105.84,74.85 106.01,74.68 107.65,74.68 108.4,75.43 v1(109.35,75.43) 115.99,75.43 116,75.44 ; v1(109.34,50.92) 110,50.26 111.74,50.26 112.4,50.92 115.94,50.92 115.98,50.96 ; U35.8 194.2,140.4 190.8,137 184.18,137 180.2,133.03 174.68,133.03 172.38,130.72 v2(171.52,130.72)
  Top w0.2: U18.20 185.61,91.35 182.12,94.84 178.07,94.84 174.2,98.71 174.2,103.31 173.57,103.94 172.33,103.94 171.52,104.75 170,104.75 169.15,105.6 168.05,105.6 166.6,107.05 160.58,107.05 157.95,109.68 157.95,111.1 156.57,112.48 156.57,114.18 U8.34
  Top w0.3: U23.8 63.88,47.18 v2(63.87,47.19) ; v1(109.34,50.92) 110.75,49.51 110.75,23.45 108.1,20.8 U5.62
  Top w0.4: U5.62 108.1,9.27
  In1.Cu w0.15: v2(63.87,47.19) 64.96,47.19 65.74,46.41 95.27,46.41 100.65,51.79 108.47,51.79 v1(109.34,50.92)
  In2.Cu w0.15: U3.L4 121.18,102.96 122.63,104.41 122.63,107.49 129.31,114.17 129.31,115.08 130.62,116.39 149.98,116.39 152.08,114.29 154.26,114.29 U8.34 156.07,114.68 157.71,114.68 162.95,119.92 165.1,119.92 166.96,121.78 166.96,126.45 164.88,128.53 164.88,134.3 166.01,135.43 169.01,135.43 171.52,132.91 v2(171.52,130.72)
  Bottom w0.15: v1(109.34,50.92) 109.74,51.32 109.74,51.85 111.93,54.04 111.93,57.99 109.96,59.96 109.96,72.15 109.61,72.5 109.61,73.7 111.06,75.15 111.06,77.92 111.34,78.2 ; 111.34,78.2 109.35,76.21 v1(109.35,75.43) ; 111.34,78.2 115.61,82.47 115.61,93.23 111.99,96.85 111.99,98.15 112.75,98.91 116.54,98.91 117.17,99.54 117.17,100.85 117.78,101.46 119.48,101.46 120.57,102.55 121.16,102.55
  Bottom w0.2: v2(171.52,130.72) 170.06,129.26 166.96,129.26 158.27,137.95 126.67,137.95 117.41,147.21 80.2,147.21 U32.18
/D31: length 461.1
  Top w0.15: 115.98,52.22 111.69,52.22 v1(111.32,51.85) ; 116,76.72 112.41,76.72 v1(112.18,76.94) 108.17,76.94 107.72,77.39 101.96,77.39 101.18,78.17 88.89,78.17 87.88,79.18 U20.11 ; v2(172.25,132.3) 172.65,132.3 174.35,134 180,134 183.75,137.75 189.2,137.75 192.3,140.85 U35.5
  Top w0.2: U8.33 151.68,114.25 151.68,112.34 152.25,111.77 156.13,111.77 157.2,110.7 157.2,109.37 160.28,106.29 166.16,106.29 167.66,104.79 168.7,104.79 169.59,103.9 171.1,103.9 171.67,103.33 171.67,99.33 172.51,98.49 173.25,98.49 177.66,94.08 180.46,94.08 U18.21
  Top w0.3: v2(109.82,48.5) 110.12,48.2 110.12,24.24 105.56,19.67 U5.64 ; v2(63.87,48.46) 63.88,48.44 U23.9
  Top w0.4: U5.64 105.56,9.27
  In1.Cu w0.15: v1(111.32,51.85) 110.75,51.85 110.39,52.21 100.46,52.21 95.11,46.86 66.05,46.86 64.45,48.46 v2(63.87,48.46)
  In2.Cu w0.15: U8.33 151.54,115.39 150.19,116.74 130.47,116.74 128.95,115.22 128.95,114.3 122.29,107.64 122.29,104.59 121.58,103.88 120.7,103.88 119.94,103.12 119.94,102.25 119.21,101.52 117.96,101.52 117.21,100.77 117.21,99.39 116.56,98.74 114.81,98.74 U3.N1 ; v2(172.25,132.3) 172.25,132.7 169.17,135.78 165.86,135.78 164.56,134.48 164.56,128.31 166.58,126.28 166.58,121.95 164.93,120.31 162.78,120.31 158.18,115.7 v2(157.68,115.7)